# KiCad board AWS PROJECT.kicad_pcb (continued)
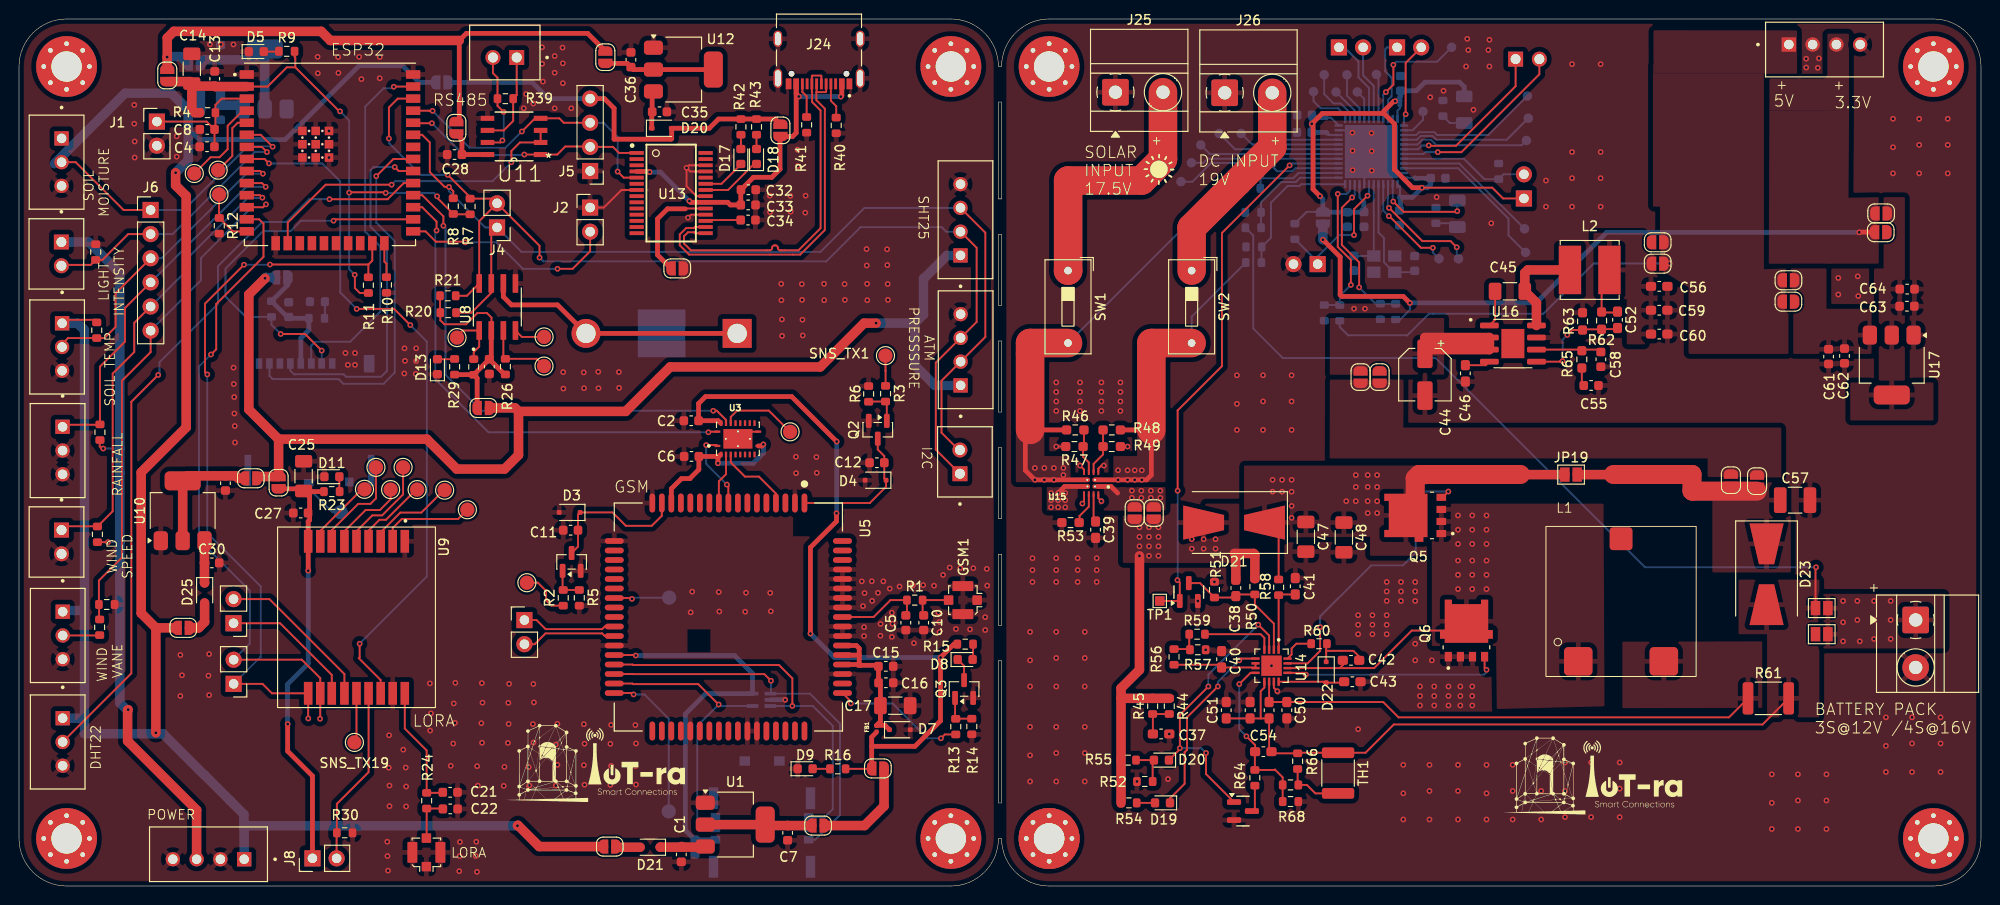
[diagram p0: board, top side]
## Library data of the parts
BT1 = -: MF: MPD; MAXIMUM_PACKAGE_HEIGHT: 2.9mm; Package: None; Price: None; Check_prices: https://www.snapeda.com/parts/BHX1-1225-PC/MPD/view-part/?ref=eda; STANDARD: Manufacturer Recommendations; PARTREV: H; SnapEDA_Link: https://www.snapeda.com/parts/BHX1-1225-PC/MPD/view-part/?ref=snap; Description_1: Battery Retainer Coin, 12.0mm 1 Cell PC Pin; Availability: In Stock; MANUFACTURER: MPD; LCSC: C6868959
C1 C3 C30 C35 C61 C62 = -: Description: Unpolarized capacitor, small symbol; LCSC: C19702; ki_fp_filters: C_*
C2 C4 C6 C11-C13 C15 C18 C26-C28 C33 C34 = -: Description: Unpolarized capacitor, small symbol; LCSC: C14663; ki_fp_filters: C_*
C5 C10 C21 C22 = -: Description: Unpolarized capacitor, small symbol; ki_fp_filters: C_*
C7-C9 C16 C29 C31 C36 C63 C64 = -: Description: Unpolarized capacitor, small symbol; LCSC: C15849; ki_fp_filters: C_*
C14 = -: Description: Unpolarized capacitor; LCSC: C12891; ki_fp_filters: C_*
C17 = -: Description: Unpolarized capacitor; LCSC: C15008; ki_fp_filters: C_*
C25 = -: Description: Unpolarized capacitor; LCSC: C89632; ki_fp_filters: C_*
C32 = -: Description: Unpolarized capacitor, small symbol; LCSC: C1705; ki_fp_filters: C_*
C37 C49 = -: Datasheet: CC0603KRX7R9BB103; Description: Unpolarized capacitor; DigiKey_Part_Number: CC0603KRX7R9BB103; LCSC: C23630; ki_fp_filters: C_*
C38 C54 = -: Datasheet: CC0603KRX7R9BB103; Description: Unpolarized capacitor; DigiKey_Part_Number: CC0603KRX7R9BB103; LCSC: C92670; ki_fp_filters: C_*
C39 C46 = -: Datasheet: CC0603KRX7R9BB103; Description: Unpolarized capacitor; DigiKey_Part_Number: CC0603KRX7R9BB103; LCSC: C100042; ki_fp_filters: C_*
C40 C41 C43 C53 = -: Datasheet: CC0603KRX7R9BB103; Description: Unpolarized capacitor; DigiKey_Part_Number: CC0603KRX7R9BB103; LCSC: C15849; ki_fp_filters: C_*
C42 C50 = -: Datasheet: CC0603KRX7R9BB103; Description: Unpolarized capacitor; DigiKey_Part_Number: CC0603KRX7R9BB103; LCSC: C14663; ki_fp_filters: C_*
C44 = -: Description: Polarized capacitor, small US symbol; LCSC: C30110; ki_fp_filters: CP_*
C45 = -: Datasheet: CC1206KRX7R9BB104; Description: Unpolarized capacitor; LCSC: C24497; ki_fp_filters: C_*
C47 C48 C57 = -: Datasheet: CC0603KRX7R9BB103; Description: Unpolarized capacitor; DigiKey_Part_Number: CC0603KRX7R9BB103; LCSC: C89632; ki_fp_filters: C_*
C51 = -: Datasheet: CC0603KRX7R9BB103; Description: Unpolarized capacitor; DigiKey_Part_Number: CC0603KRX7R9BB103; LCSC: C19702; ki_fp_filters: C_*
C52 = -: Description: Unpolarized capacitor; ki_fp_filters: C_*
C55 = -: Datasheet: 0603B272K500NT; Description: Unpolarized capacitor; DigiKey_Part_Number: 0603B272K500NT; LCSC: C107085; ki_fp_filters: C_*
C56 C59 C60 = -: Datasheet: CL10A226MO7JZNC; Description: Unpolarized capacitor; DigiKey_Part_Number: CL10A226MO7JZNC; LCSC: C86295; ki_fp_filters: C_*
C58 = -: Datasheet: CC0603JRNPO9BN330; Description: Unpolarized capacitor; DigiKey_Part_Number: CC0603JRNPO9BN330; LCSC: C107047; ki_fp_filters: C_*
C65 = -: Description: Unpolarized capacitor, small symbol; LCSC: C66501; ki_fp_filters: C_*
C66 C69 C70 = -: Description: Unpolarized capacitor, small symbol; LCSC: C1589; ki_fp_filters: C_*
C67 = -: Description: Unpolarized capacitor, small symbol; LCSC: C1592; ki_fp_filters: C_*
C68 C71 = -: Description: Unpolarized capacitor, small symbol; LCSC: C19666; ki_fp_filters: C_*
C72 C73 = -: Description: Unpolarized capacitor, small symbol; LCSC: C92670; ki_fp_filters: C_*
D3 D4 D7 D22 = -: Datasheet: https://www.lcsc.com/datasheet/lcsc_datasheet_2409191648_hongjiacheng-SMAJ10A_C41376407.pdf; Description: 17V 400W 12.3V Unidirectional 10V SMA ESD and Surge Protection (TVS/ESD) ROHS; LCSC: C41376407; Stock: 10749; Price: 0.036USD; Process: SMT; Minimum Qty: 5; Attrition Qty: 2; Class: Preferred Component; Category: Circuit Protection,ESD And Surge Protection (TVS/ESD); Manufacturer: hongjiacheng; Part: SMAJ10A; Operating Temperature: -55°C~+155°C; Type: TVS; Peak Pulse Power Dissipation (Ppp): 400W; Number of Lines: Single channel; Breakdown Voltage: 12.3V; Maximum Clamping Voltage: 17V; Reverse Stand-Off Voltage (Vrwm): 10V; Reverse Leakage Current (Ir): 5uA; polarity: Unidirectional; ki_fp_filters: D_*
D5 D8 D9 D11 D13 D14 D17-D19 D20#2 = -: Description: Light emitting diode; LCSC: C22371297; ki_fp_filters: LED* LED_SMD:* LED_THT:*
D6 = -: MF: STMicroelectronics; MAXIMUM_PACKAGE_HEIGHT: 1.10mm; Package: SOT-323 STMicroelectronics; Price: None; Check_prices: https://www.snapeda.com/parts/ESDA6V1W5/STMicroelectronics/view-part/?ref=eda; STANDARD: IPC-7351B; PARTREV: 2; SnapEDA_Link: https://www.snapeda.com/parts/ESDA6V1W5/STMicroelectronics/view-part/?ref=snap; Description_1: - Clamp - Ipp Tvs Diode Surface Mount SOT-323-5; Availability: In Stock; MANUFACTURER: STMicroelectronics; LCSC: C48677
D20 D21 D24 D25 = -: Datasheet: https://datasheet.lcsc.com/lcsc/2204281430_Guangdong-Hottech-1N5819WS_C191023.pdf; Description: 40V 600mV@1A 1A SOD-323 Schottky Barrier Diodes, SOD-323; ki_fp_filters: D*SOD?323*
D21#2 D23 = -: Description: Diode; Sim.Device: D; Sim.Pins: 1=K 2=A; LCSC: C72264; ki_fp_filters: TO-???* *_Diode_* *SingleDiode* D_*
D24#2 = -: Description: Light emitting diode; Sim.Pins: 1=K 2=A; LCSC: C2980185; ki_fp_filters: LED* LED_SMD:* LED_THT:*
D25#2 = -: Description: Light emitting diode; Sim.Pins: 1=K 2=A; LCSC: C28310439; ki_fp_filters: LED* LED_SMD:* LED_THT:*
FB1 = -: Description: Ferrite bead, small symbol; LCSC: C3764553; ki_fp_filters: Inductor_* L_* *Ferrite*
GSM1 GSM2 = -: PRICE: None; MP: U.FL-R-SMT_10_; PACKAGE: FakePackage u; AVAILABILITY: Unavailable; DESCRIPTION: U.FL Series 50 Ohm Receptacle Male Pins Ultra Small SMT Coaxial Connector; MF: Hirose; LCSC Part #: C88373; LCSC: C434808
J1-J4 J8-J10 J29-J32 = -: Description: Generic connector, single row, 01x02, script generated; ki_fp_filters: Connector*:*_1x??_*
J5 = -: Description: Generic connector, single row, 01x04, script generated; ki_fp_filters: Connector*:*_1x??_*
J6 = -: Description: Generic connector, single row, 01x06, script generated; ki_fp_filters: Connector*:*_1x??_*
J7 = -: MF: Molex; Description_1: 6 Position Card Connector NANO SIM Surface Mount, Right Angle Gold; Package: None; Price: None; Check_prices: https://www.snapeda.com/parts/104224-0820/Molex/view-part/?ref=eda; STANDARD: Mnufacturer Recommendation; PARTREV: A; SnapEDA_Link: https://www.snapeda.com/parts/104224-0820/Molex/view-part/?ref=snap; Availability: In Stock; MANUFACTURER: MOLEX; LCSC: C585349
J11 J15 J17 J28 = -: MF: JST Sales; MAXIMUM_PACKAGE_HEIGHT: 7.00 mm; Package: None; Price: None; Check_prices: https://www.snapeda.com/parts/B4B-XH-A(LF)(SN)/JST/view-part/?ref=eda; STANDARD: Manufacturer Recommendations; PARTREV: 7/4/21; SnapEDA_Link: https://www.snapeda.com/parts/B4B-XH-A(LF)(SN)/JST/view-part/?ref=snap; MP: B4B-XH-A(LF)(SN); Description_1: Connector Header Through Hole 4 position 0.098 (2.50mm); Availability: In Stock; MANUFACTURER: JST
J12 J18-J20 J22 = -: MF: JST Sales; MAXIMUM_PACKAGE_HEIGHT: 7.00 mm; Package: None; Price: None; Check_prices: https://www.snapeda.com/parts/B3B-XH-A(LF)(SN)/JST/view-part/?ref=eda; STANDARD: Manufacturer Recommendations; PARTREV: 7/4/21; SnapEDA_Link: https://www.snapeda.com/parts/B3B-XH-A(LF)(SN)/JST/view-part/?ref=snap; MP: B3B-XH-A(LF)(SN); Description_1: Connector Header Through Hole 3 position 0.098 (2.50mm); Availability: In Stock; MANUFACTURER: JST Sales America Inc.
J13 J14 J21 J23 J33 = -: MF: JST Sales; MAXIMUM_PACKAGE_HEIGHT: 7 mm; Package: None; Price: None; Check_prices: https://www.snapeda.com/parts/B2B-XH-A(LF)(SN)/JST/view-part/?ref=eda; STANDARD: Manufacturer Recommendations; PARTREV: N/A; SnapEDA_Link: https://www.snapeda.com/parts/B2B-XH-A(LF)(SN)/JST/view-part/?ref=snap; MP: B2B-XH-A(LF)(SN); Description_1: Connector Header Through Hole 2 position 0.098 (2.50mm); Availability: In Stock; MANUFACTURER: JST Sales America Inc.
J16 = -: MF: Molex; Description_1: 9 (8 + 1) Position Card Connector Secure Digital - microSD™ Surface Mount, Right Angle Gold; Package: None; Price: None; Check_prices: https://www.snapeda.com/parts/5033981892/Molex/view-part/?ref=eda; STANDARD: MANUFACTURER RECOMMENDATIONS; PARTREV: 0; SnapEDA_Link: https://www.snapeda.com/parts/5033981892/Molex/view-part/?ref=snap; MP: 5033981892; Availability: In Stock; MANUFACTURER: molex; LCSC: C428492
J24 = -: MF: HRO Electronics Co., Ltd.; MAXIMUM_PACKAGE_HEIGHT: 3.26 mm; Package: Package; Price: None; Check_prices: https://www.snapeda.com/parts/TYPE-C-31-M-12/HRO+Electronics+Co.%252C+Ltd./view-part/?ref=eda; STANDARD: Manufacturer Recommendations; PARTREV: 2020.12.08; SnapEDA_Link: https://www.snapeda.com/parts/TYPE-C-31-M-12/HRO+Electronics+Co.%252C+Ltd./view-part/?ref=snap; Description_1: USB Connectors 24 Receptacle 1 8.94*7.3mm RoHS; Availability: Not in stock; MANUFACTURER: HRO Electronics Co., Ltd.; LCSC: C165948
J25-J27 = -: Description: Generic screw terminal, single row, 01x02, script generated (kicad-library-utils/schlib/autogen/connector/); ki_fp_filters: TerminalBlock*:*
JP1-JP6 JP8 JP10 JP11#2 JP12#2 JP13-JP18 JP19#3 JP20 JP21#2 JP22-JP25 = -: Description: Jumper, 2-pole, small symbol, open; ki_fp_filters: Jumper* TestPoint*2Pads* TestPoint*Bridge*
JP9 JP10#2 JP11 JP12 JP13#2 JP18#2 JP19 JP19#2 JP21 = -: Description: Jumper, 2-pole, small symbol, open
L1 = -: Description: Inductor; LCSC: C2454102; ki_fp_filters: Choke_* *Coil* Inductor_* L_*
L2 = -: Description: Inductor; LCSC: C3221229; ki_fp_filters: Choke_* *Coil* Inductor_* L_*
PB1-PB21 SNS_TX1-SNS_TX20 TP1 = -: Description: test point; ki_fp_filters: Pin* Test*
Q1-Q3 = -: Datasheet: https://www.onsemi.com/pdf/datasheet/pzt3904-d.pdf; Description: 0.2A Ic, 40V Vce, Small Signal NPN Transistor, SOT-23; LCSC: C242260; ki_fp_filters: SOT?23*
Q4 Q7 = -: Datasheet: https://www.lcsc.com/datasheet/lcsc_datasheet_2304140030_Jiangsu-Changjing-Electronics-Technology-Co---Ltd--2N7002_C8545.pdf; Description: 60V 115mA 200mW 7.5Ω@10V,500mA 2.5V@250uA 1 N-Channel SOT-23 MOSFETs ROHS; LCSC: C8545; Stock: 917456; Price: 0.018USD; Process: SMT; Minimum Qty: 10; Attrition Qty: 5; Class: Basic Component; Category: Transistors,MOSFETs; Manufacturer: Changjiang Electronics Tech (CJ); Continuous Drain Current (Id): 115mA; Input Capacitance (Ciss@Vds): 50pF; Operating Temperature: -55°C~+150°C; Type: 1 N-channel; Drain Source Voltage (Vdss): 60V; Power Dissipation (Pd): 225mW; Gate Threshold Voltage (Vgs(th)@Id): 2.5V@250uA; Reverse Transfer Capacitance (Crss@Vds): 5pF; Drain Source On Resistance (RDS(on)@Vgs,Id): 5Ω@10V; ki_fp_filters: Q_*
Q5 Q6 = -: Datasheet: https://ngspice.sourceforge.io/docs/ngspice-html-manual/manual.xhtml#cha_MOSFETs; Description: N-MOSFET transistor, drain/source/gate; Sim.Type: VDMOS; Sim.Pins: 1=D 2=G 3=S; LCSC: C604579
R1 R24 = -: Description: Resistor; LCSC: C95177; ki_fp_filters: R_*
R2 R3 R5-R8 R13 R14 R20 R21 R25 R26 R32 R33 R38 = -: Description: Resistor; LCSC: C99782; ki_fp_filters: R_*
R4 R10 R12 R30 R34 R37 R54 R55 R69 R71 R73 R75 R77 R79 R80 R82 = -: Description: Resistor; LCSC: C98220; ki_fp_filters: R_*
R9 R15 R16 R23 R29 R31 R35 = -: Description: Resistor; LCSC: C22548; ki_fp_filters: R_*
R11 = -: Description: Resistor; ki_fp_filters: R_*
R36 R70 = -: Description: Resistor; LCSC: C105575; ki_fp_filters: R_*
R39 = -: Description: Resistor; LCSC: C22787; ki_fp_filters: R_*
R40 R41 = -: Description: Resistor; LCSC: C2907044; ki_fp_filters: R_*
R42 R43 = -: Description: Resistor; LCSC: C2907020; ki_fp_filters: R_*
R44 R45 = -: Description: Resistor; LCSC: C2930150; ki_fp_filters: R_*
R46 R48 = -: Datasheet: FRC0603F5101TS; Description: Resistor; LCSC: C22912; ki_fp_filters: R_*
R47 R49 = -: Datasheet: FRC0603F5101TS; Description: Resistor; LCSC: C2828621; ki_fp_filters: R_*
R50 = -: Description: Resistor; LCSC: C26751; ki_fp_filters: R_*
R51 = -: Description: Resistor; LCSC: C2930097; ki_fp_filters: R_*
R52 = -: Description: Resistor; LCSC: C2828637; ki_fp_filters: R_*
R53 = -: Datasheet: FRC0603F5101TS; Description: Resistor; LCSC: C2933234; ki_fp_filters: R_*
R56 = -: Description: Resistor; LCSC: C2930111; ki_fp_filters: R_*
R57 = -: Description: Resistor; LCSC: C2930127; ki_fp_filters: R_*
R58 = -: Description: Resistor; LCSC: C109318; ki_fp_filters: R_*
R59 = -: Description: Resistor; LCSC: C105588; ki_fp_filters: R_*
R60 = -: Description: Resistor; LCSC: C22939; ki_fp_filters: R_*
R61 = -: Description: Resistor; LCSC: C2933875; ki_fp_filters: R_*
R62 R63 R65 = -: Datasheet: FRC0603F5101TS; Description: Resistor; LCSC: C2907044; ki_fp_filters: R_*
R64 = -: Description: Resistor; LCSC: C3009313; ki_fp_filters: R_*
R66 = -: Description: Resistor; LCSC: C861677; ki_fp_filters: R_*
R67 = -: Description: Resistor; LCSC: C5126163; ki_fp_filters: R_*
R68 = -: Description: Resistor; LCSC: C2998114; ki_fp_filters: R_*
R72 = -: Description: Resistor; LCSC: C2906992; ki_fp_filters: R_*
R74 = -: Description: Resistor; LCSC: C22843; ki_fp_filters: R_*
R76 = -: Description: Resistor; LCSC: C22975; ki_fp_filters: R_*
R78 = -: Description: Resistor; LCSC: C2906976; ki_fp_filters: R_*
R81 = -: Description: Resistor; LCSC: C23138; ki_fp_filters: R_*
SW1 SW2 = -: Description: Single Pole Single Throw (SPST) switch
TH1 = -: Description: Temperature dependent resistor, negative temperature coefficient; LCSC: C5146262; ki_fp_filters: *NTC* *Thermistor* PIN?ARRAY* bornier* *Terminal?Block* R_*
U1 U2 U10 U12 U17 = -: Datasheet: http://www.advanced-monolithic.com/pdf/ds1117.pdf; Description: 1A Low Dropout regulator, positive, 3.3V fixed output, SOT-223; LCSC: C6186; ki_fp_filters: SOT?223*TabPin2*
U3 = -: MF: Texas Instruments; MAXIMUM_PACKAGE_HEIGHT: 1 mm; Package: VQFN-20 Texas Instruments; Price: None; Check_prices: https://www.snapeda.com/parts/TXB0108RGYR/Texas+Instruments/view-part/?ref=eda; STANDARD: Manufacturer recommendations; PARTREV: H; SnapEDA_Link: https://www.snapeda.com/parts/TXB0108RGYR/Texas+Instruments/view-part/?ref=snap; Description_1: 8-Bit Bidirectional Voltage-Level Shifter with Auto Direction Sensing and +/-15-kV ESD Protect; Availability: In Stock; MANUFACTURER: Texas Instruments; LCSC: C194701
U4 = -: MF: Espressif Systems; MAXIMUM_PACKAGE_HEIGHT: 3.25mm; Package: SMD-44 Espressif Systems; Price: None; Check_prices: https://www.snapeda.com/parts/ESP32-WROOM-32E%20(4MB%20HIGH%20TEMP)/Espressif+Systems/view-part/?ref=eda; STANDARD: Manufacturer Recommendations; PARTREV: 1.3; SnapEDA_Link: https://www.snapeda.com/parts/ESP32-WROOM-32E%20(4MB%20HIGH%20TEMP)/Espressif+Systems/view-part/?ref=snap; MP: ESP32-WROOM-32E (4MB HIGH TEMP); Description_1: Bluetooth, WiFi 802.11b/g/n, Bluetooth v4.2 +EDR, Class 1, 2 and 3 Transceiver Module 2.4GHz ~ 2.5GHz Integrated, Trace Surface Mount; Availability: Not in stock; MANUFACTURER: Espressif Systems; LCSC: C701344
U5 = -: MF: SIMCom; Description_1: Cellular Cat-M, Cat-NB, EDGE, GPRS, LPWA Transceiver Module 900MHz, 1.8GHz Antenna Not Included Surface Mount; Package: None; Price: None; Check_prices: https://www.snapeda.com/parts/SIM7000E/SIMCom/view-part/?ref=eda; STANDARD: MANUFACTURER RECOMMENDATIONS; PARTREV: 1.01; SnapEDA_Link: https://www.snapeda.com/parts/SIM7000E/SIMCom/view-part/?ref=snap; Availability: In Stock; MANUFACTURER: SIMCOM; LCSC: C126272
U8 = -: MF: Analog Devices; Description_1: ±5ppm, I2C Real-Time Clock; Package: SOIC-8 Maxim; Price: None; SnapEDA_Link: https://www.snapeda.com/parts/DS3231MZ+TRL/Analog+Devices/view-part/?ref=snap; MP: DS3231MZ+TRL; Availability: In Stock; Check_prices: https://www.snapeda.com/parts/DS3231MZ+TRL/Analog+Devices/view-part/?ref=eda; LCSC: C107410
U9 = -: Datasheet: https://docs.ai-thinker.com/_media/lora/docs/ra-08h_v1.1.0_specification.pdf; LCSC: C2991932
U11 = -: MF: STMicroelectronics; Description_1: 1/1 Transceiver Half RS422, RS485 8-SOIC; PACKAGE: SOIC-8; Price: None; Package: SOIC-8 STMicroelectronics; OC_FARNELL: -; SnapEDA_Link: https://www.snapeda.com/parts/ST3485EBDR/STMicroelectronics/view-part/?ref=snap; SUPPLIER: STMICROELECTRONICS; OC_NEWARK: 89K1003; Availability: In Stock; Check_prices: https://www.snapeda.com/parts/ST3485EBDR/STMicroelectronics/view-part/?ref=eda; LCSC: C75809
U13 = -: MF: FTDI,; Description_1: USB Controller, 3MBd, USB2.0, 1.8 - 5.25 V, 28-Pin SSOP, USBmadeEZ-UART Series | FTDI FT232RL-REEL; Package: SSOP-28 FTDI; Price: None; Check_prices: https://www.snapeda.com/parts/FT232RL-REEL/FTDI/view-part/?ref=eda; SnapEDA_Link: https://www.snapeda.com/parts/FT232RL-REEL/FTDI/view-part/?ref=snap; Availability: In Stock; MANUFACTURER: Future Technology Devices International Ltd; LCSC: C8690
U14 = -: MF: Texas Instruments; Description_1: Standalone 1-6 cell Buck battery charge controller with solar input and integrated MPPT; Package: VQFN-16 Texas Instruments; Price: None; SnapEDA_Link: https://www.snapeda.com/parts/BQ24650RVAR/Texas+Instruments/view-part/?ref=snap; Availability: In Stock; Check_prices: https://www.snapeda.com/parts/BQ24650RVAR/Texas+Instruments/view-part/?ref=eda; LCSC: C53712
U15 = -: DigiKey_Part_Number: 296-53410-1-ND; SnapEDA_Link: https://www.snapeda.com/parts/TPS2121RUXR/Texas+Instruments/view-part/?ref=snap; Description_1: 2.7-V to 22-V, 56-mΩ, 4.5-A, power mux with seamless switchover; Package: VQFN-HR-12 Texas Instruments; Check_prices: https://www.snapeda.com/parts/TPS2121RUXR/Texas+Instruments/view-part/?ref=eda; STANDARD: Manufacturer Recommendations; MF: Texas Instruments; MANUFACTURER: TEXAS INSTRUMENTS; LCSC: C485916
U16 = -: LCSC: C2071517; ki_fp_filters: SO-8EP_DIO SO-8EP_DIO-M SO-8EP_DIO-L
U18 = -: MF: STMicroelectronics; MAXIMUM_PACKAGE_HEIGHT: 0.6mm; Package: UFQFPN-48 STMicroelectronics; Price: None; Check_prices: https://www.snapeda.com/parts/STM32F401CCU6/STMicroelectronics/view-part/?ref=eda; STANDARD: IPC-7351B; PARTREV: 11; SnapEDA_Link: https://www.snapeda.com/parts/STM32F401CCU6/STMicroelectronics/view-part/?ref=snap; Purchase-URL: https://www.snapeda.com/api/url_track_click_mouser/?unipart_id=47563&manufacturer=STMicroelectronics&part_name=STM32F401CCU6&search_term=stm32f401ccu6; Description_1: ARM® Cortex®-M4 STM32F4 Microcontroller IC 32-Bit Single-Core 84MHz 256KB (256K x 8) FLASH 48-UFQFPN (7x7); Availability: In Stock; MANUFACTURER: STMicroelectronics; LCSC: C79861
Y1 = -: MF: Aker Technology USA; MAXIMUM_PACKAGE_HEIGHT: 0.75mm; Package: SMD-4 Aker; Price: None; Check_prices: https://www.snapeda.com/parts/C3E-25.000-12-3030-X-R/Aker/view-part/?ref=eda; STANDARD: Manufacturer Recommendations; PARTREV: August 01, 2022; SnapEDA_Link: https://www.snapeda.com/parts/C3E-25.000-12-3030-X-R/Aker/view-part/?ref=snap; Description_1: Crystal, 3.20mm x2.50mm,25MHz,12pF,-40-85C; Availability: In Stock; MANUFACTURER: Aker; LCSC: C5567192

## Footprints (pads in the part's own frame, mm; a bottom-side part is the same pattern mirrored in y, then rotated)
BAT_BHX1-1225-PC
  rect 3.05x3.05 hole 2.03: 1(-7.95,0)
  round 3.05 hole 2.03: 1_1(7.95,0)
  rect 5x5 smd: 2(0,0)
BEADC0603X33N
  rect 0.38x0.4 smd: 1(-0.281,0) 2(0.281,0)
C_0603_1608Metric
  rrect 0.9x0.95 smd: 1(-0.775,0) 2(0.775,0)
C_0603_1608Metric_Pad1.08x0.95mm_HandSolder
  rrect 1.075x0.95 smd: 1(-0.863,0) 2(0.863,0)
C_1206_3216Metric_Pad1.33x1.80mm_HandSolder
  rrect 1.325x1.8 smd: 1(-1.562,0) 2(1.562,0)
C_1210_3225Metric_Pad1.33x2.70mm_HandSolder
  rrect 1.325x2.7 smd: 1(-1.562,0) 2(1.562,0)
CDEP147NP-6R1MC-95
  rrect 3x3 smd: 1(-4.5,0) 2(4.5,0)
  rrect 2.4x2.4 smd: 3(0,12.9)
CP_Elec_5x5.8
  rrect 3x1.6 smd: 1(-2.2,0) 2(2.2,0)
D_0603_1608Metric
  rrect 0.875x0.95 smd: 1(-0.787,0) 2(0.787,0)
D_SMB-SMC_Universal_Handsoldering
  trapezoid 4.3x2.6 smd: 1(-3.2,0) 2(3.2,0)
D_SOD-323
  rrect 0.6x0.45 smd: 1(-1.05,0) 2(1.05,0)
D_SOD-323F
  rrect 0.5x0.5 smd: 1(-1.1,0) 2(1.1,0)
HRO_TYPE-C-31-M-12
  round 0.6 hole 0.6 unplated: (-2.89,3.68) (2.89,3.68)
  rect 0.6x1.14 smd: A1_B12(-3.2,4.75) A4_B9(-2.4,4.75) B1_A12(3.2,4.75) B4_A9(2.4,4.75)
  rect 0.3x1.14 smd: A5(-1.25,4.75) A6(-0.25,4.75) A7(0.25,4.75) A8(1.25,4.75) B5(1.75,4.75) B6(0.75,4.75) B7(-0.75,4.75) B8(-1.75,4.75)
  oval 0.9x2 hole 0.6x1.7: S1(-4.325,4.17) S2(4.325,4.17)
  oval 0.9x1.7 hole 0.6x1.4: S3(-4.325,0) S4(4.325,0)
IC_TPS2121RUXR
  rrect 1.05x0.4 smd: 1(-0.675,0.35) 2(-0.675,-0.35) 7(0.675,-0.35) 8(0.675,0.35)
  round 0.3 hole 0.2: 1_1(-0.4,0.35) 2_1(-0.4,-0.35) 7_1(0.4,-0.35) 8_1(0.4,0.35)
  rrect 0.2x0.6 smd: 3(-0.75,-1.15) 4(-0.25,-1.15) 5(0.25,-1.15) 6(0.75,-1.15) 9(0.75,1.15) 10(0.25,1.15) 11(-0.25,1.15) 12(-0.75,1.15)
IC_TXB0108RGYR
  rrect 0.24x0.6 smd: 1(-0.75,2.15) 10(-0.75,-2.15) 11(0.75,-2.15) 20(0.75,2.15)
  rrect 0.6x0.24 smd: 2(-1.65,1.75) 3(-1.65,1.25) 4(-1.65,0.75) 5(-1.65,0.25) 6(-1.65,-0.25) 7(-1.65,-0.75) 8(-1.65,-1.25) 9(-1.65,-1.75) 12(1.65,-1.75) 13(1.65,-1.25) 14(1.65,-0.75) 15(1.65,-0.25) 16(1.65,0.25) 17(1.65,0.75) 18(1.65,1.25) 19(1.65,1.75)
  rect 2.05x3.05 smd: 21(0,0)
  round 0.3 hole 0.2: 21_1(0,1.275) 21_2(-0.775,0) 21_3(0.775,0) 21_4(0,-1.275)
JST_B2B-XH-A_LF__SN_
  rect 1.575x1.575 hole 1.05: 1(1.25,-0.525)
  round 1.575 hole 1.05: 2(-1.25,-0.525)
JST_B3B-XH-A_LF__SN_
  rect 1.508x1.508 hole 1: 1(2.5,-0.525)
  round 1.508 hole 1: 2(0,-0.525) 3(-2.5,-0.525)
JST_B4B-XH-A_LF__SN_
  rect 1.508x1.508 hole 1: 1(3.75,-0.525)
  round 1.508 hole 1: 2(1.25,-0.525) 3(-1.25,-0.525) 4(-3.75,-0.525)
L_Bourns_SRN6045TA
  rect 2.35x5.1 smd: 1(-2.075,0) 2(2.075,0)
LED_1206_3216Metric
  rrect 1.25x1.75 smd: 1(-1.4,0) 2(1.4,0)
MODULE_ESP32-WROOM-32UE_M113EH6400UH3Q0_
  rect 1.5x0.9 smd: 1(-8.75,8.41) 2(-8.75,7.14) 3(-8.75,5.87) 4(-8.75,4.6) 5(-8.75,3.33) 6(-8.75,2.06) 7(-8.75,0.79) 8(-8.75,-0.48) 9(-8.75,-1.75) 10(-8.75,-3.02) 11(-8.75,-4.29) 12(-8.75,-5.56) 13(-8.75,-6.83) 14(-8.75,-8.1) 25(8.75,-8.1) 26(8.75,-6.83) 27(8.75,-5.56) 28(8.75,-4.29) 29(8.75,-3.02) 30(8.75,-1.75) 31(8.75,-0.48) 32(8.75,0.79) 33(8.75,2.06) 34(8.75,3.33) 35(8.75,4.6) 36(8.75,5.87) 37(8.75,7.14) 38(8.75,8.41)
  rect 0.9x1.5 smd: 15(-5.71,-9.35) 16(-4.44,-9.35) 17(-3.17,-9.35) 18(-1.9,-9.35) 19(-0.63,-9.35) 20(0.64,-9.35) 21(1.91,-9.35) 22(3.18,-9.35) 23(4.45,-9.35) 24(5.72,-9.35)
  rect 0.9x0.9 smd: 39_1(-2.9,2.47) 39_2(-1.5,2.47) 39_3(-0.1,2.47) 39_4(-2.9,1.07) 39_5(-1.5,1.07) 39_6(-0.1,1.07) 39_7(-2.9,-0.33) 39_8(-1.5,-0.33) 39_9(-0.1,-0.33)
  round 0.3 hole 0.2: 39_10(-2.2,2.47) 39_11(-0.8,2.47) 39_12(-2.9,1.77) 39_13(-1.5,1.77) 39_14(-0.1,1.77) 39_15(-2.2,1.07) 39_16(-0.8,1.07) 39_17(-2.9,0.37) 39_18(-1.5,0.37) 39_19(-0.1,0.37) 39_20(-2.2,-0.33) 39_21(-0.8,-0.33)
MOLEX_104224-0820
  rect 1x2.3 smd: G1(-5.1,1.5) G2(-5.1,8.7) G3(5.1,8.7) G4(5.1,1.5)
  rect 1.1x1 smd: R1(-1.82,12.625) R2(1.82,12.625)
  rect 1x0.8 smd: S1(4.9,4.35) S2(4.9,5.55) S3(-4.9,4.35) S4(4.9,6.75) S5(-4.9,5.55) S6(-4.9,6.75)
MOLEX_503398-1892
  rect 0.7x1.1 smd: 1(-2.38,5.625) 2(-1.28,5.625) 3(-0.18,5.625) 4(0.92,5.625) 5(2.02,5.625) 6(3.12,5.625) 7(4.22,5.625) 8(5.32,5.625)
  rect 0.9x0.93 smd: 9(-4.17,-6.84)
  rect 1.05x0.78 smd: 10(0.095,-6.915)
  rect 1.14x1.83 smd: P1(-6.26,5.61)
  rect 0.86x2.8 smd: P2(6.4,5.125)
  rect 0.7x3.33 smd: P3(-6.48,-5.64) P4(6.48,-5.64)
MountingHole_3.2mm_M3_Pad_Via
  round 0.8 hole 0.5: 1(-2.4,0) 1(-1.697,1.697) 1(-1.697,-1.697) 1(0,2.4) 1(0,-2.4) 1(1.697,1.697) 1(1.697,-1.697) 1(2.4,0)
  round 6.4 hole 3.2: 1(0,0)
PinHeader_1x02_P2.54mm_Vertical
  rect 1.7x1.7 hole 1: 1(0,0)
  round 1.7 hole 1: 2(0,-2.54)
PinHeader_1x04_P2.54mm_Vertical
  rect 1.7x1.7 hole 1: 1(0,0)
  round 1.7 hole 1: 2(0,-2.54) 3(0,-5.08) 4(0,-7.62)
PinHeader_1x06_P2.54mm_Vertical
  rect 1.7x1.7 hole 1: 1(0,0)
  round 1.7 hole 1: 2(0,-2.54) 3(0,-5.08) 4(0,-7.62) 5(0,-10.16) 6(0,-12.7)
Q_SOT-23
  rrect 1.48x0.6 smd: 1(-0.94,0.95) 2(-0.94,-0.95) 3(0.94,0)
QFN50P350X350X100-17N
  rrect 0.86x0.26 smd: 1(-1.685,0.75) 2(-1.685,0.25) 3(-1.685,-0.25) 4(-1.685,-0.75) 9(1.685,-0.75) 10(1.685,-0.25) 11(1.685,0.25) 12(1.685,0.75)
  rrect 0.26x0.86 smd: 5(-0.75,-1.685) 6(-0.25,-1.685) 7(0.25,-1.685) 8(0.75,-1.685) 13(0.75,1.685) 14(0.25,1.685) 15(-0.25,1.685) 16(-0.75,1.685)
  rect 2.14x2.14 smd: 17(0,0)
QFN50P700X700X60-49N
  rect 0.86x0.27 smd: 1(-3.435,2.75) 2(-3.435,2.25) 3(-3.435,1.75) 4(-3.435,1.25) 5(-3.435,0.75) 6(-3.435,0.25) 7(-3.435,-0.25) 8(-3.435,-0.75) 9(-3.435,-1.25) 10(-3.435,-1.75) 11(-3.435,-2.25) 12(-3.435,-2.75) 25(3.435,-2.75) 26(3.435,-2.25) 27(3.435,-1.75) 28(3.435,-1.25) 29(3.435,-0.75) 30(3.435,-0.25) 31(3.435,0.25) 32(3.435,0.75) 33(3.435,1.25) 34(3.435,1.75) 35(3.435,2.25) 36(3.435,2.75)
  rect 0.27x0.86 smd: 13(-2.75,-3.435) 14(-2.25,-3.435) 15(-1.75,-3.435) 16(-1.25,-3.435) 17(-0.75,-3.435) 18(-0.25,-3.435) 19(0.25,-3.435) 20(0.75,-3.435) 21(1.25,-3.435) 22(1.75,-3.435) 23(2.25,-3.435) 24(2.75,-3.435) 37(2.75,3.435) 38(2.25,3.435) 39(1.75,3.435) 40(1.25,3.435) 41(0.75,3.435) 42(0.25,3.435) 43(-0.25,3.435) 44(-0.75,3.435) 45(-1.25,3.435) 46(-1.75,3.435) 47(-2.25,3.435) 48(-2.75,3.435)
  rect 5.6x5.6 smd: 49(0,0)
R_0603_1608Metric
  rrect 0.8x0.95 smd: 1(-0.825,0) 2(0.825,0)
R_0603_1608Metric_Pad0.98x0.95mm_HandSolder
  rrect 0.975x0.95 smd: 1(-0.912,0) 2(0.912,0)
R_1812_4532Metric
  rrect 1.125x3.4 smd: 1(-2.138,0) 2(2.138,0)
RA-08H
  rect 2.4x0.9 smd: 1(-8,5.08) 2(-8,3.81) 3(-8,2.54) 4(-8,1.27) 5(-8,0) 6(-8,-1.27) 7(-8,-2.6) 8(-8,-3.81) 9(-8,-5.08) 10(8,-5.08) 11(8,-3.81) 12(8,-2.6) 13(8,-1.27) 14(8,0) 15(8,1.27) 16(8,2.54) 17(8,3.81) 18(8,5.08)
SIMCON_SIM7000E
  oval 2x0.6 smd: 1(-12,8) 2(-12,7) 3(-12,6) 4(-12,5) 5(-12,4) 6(-12,3) 7(-12,2) 8(-12,1) 9(-12,0) 10(-12,-1) 11(-12,-2) 12(-12,-3) 13(-12,-4) 14(-12,-5) 15(-12,-6) 16(-12,-7) 17(-12,-8) 35(12,-8) 36(12,-7) 37(12,-6) 38(12,-5) 39(12,-4) 40(12,-3) 41(12,-2) 42(12,-1) 43(12,0) 44(12,1) 45(12,2) 46(12,3) 47(12,4) 48(12,5) 49(12,6) 50(12,7) 51(12,8)
  oval 0.6x2 smd: 18(-8,-12) 19(-7,-12) 20(-6,-12) 21(-5,-12) 22(-4,-12) 23(-3,-12) 24(-2,-12) 25(-1,-12) 26(0,-12) 27(1,-12) 28(2,-12) 29(3,-12) 30(4,-12) 31(5,-12) 32(6,-12) 33(7,-12) 34(8,-12) 52(8,12) 53(7,12) 54(6,12) 55(5,12) 56(4,12) 57(3,12) 58(2,12) 59(1,12) 60(0,12) 61(-1,12) 62(-2,12) 63(-3,12) 64(-4,12) 65(-5,12) 66(-6,12) 67(-7,12) 68(-8,12)
SOIC127P600X170-9N
  rrect 1.97x0.6 smd: 1(-2.475,1.905) 2(-2.475,0.635) 3(-2.475,-0.635) 4(-2.475,-1.905) 5(2.475,-1.905) 6(2.475,-0.635) 7(2.475,0.635) 8(2.475,1.905)
  rect 2.41x3.076 smd: 9(0,0)
SOIC127P600X175-8N
  rect 1.422x0.533 smd: 1(-2.794,1.905) 2(-2.794,0.635) 3(-2.794,-0.635) 4(-2.794,-1.905) 5(2.794,-1.905) 6(2.794,-0.635) 7(2.794,0.635) 8(2.794,1.905)
SOIC127P600X175-8N#2
  rrect 1.97x0.59 smd: 1(-2.475,1.905) 2(-2.475,0.635) 3(-2.475,-0.635) 4(-2.475,-1.905) 5(2.475,-1.905) 6(2.475,-0.635) 7(2.475,0.635) 8(2.475,1.905)
SolderJumper-2_P1.3mm_Open_Pad1.0x1.5mm
  rect 1x1.5 smd: 1(-0.65,0) 2(0.65,0)
SolderJumper-2_P1.3mm_Open_RoundedPad1.0x1.5mm
  custom 1x1.5 smd: 1(-0.65,0) 2(0.65,0)
SolderJumper-2_P1.3mm_Open_RoundedPad1.0x1.5mm#2
  custom 1x1.5 smd: (-0.65,0) 2(0.65,0)
SOP65P780X200-28N
  rect 1.5x0.4 smd: 1(-3.625,4.225) 2(-3.625,3.575) 3(-3.625,2.925) 4(-3.625,2.275) 5(-3.625,1.625) 6(-3.625,0.975) 7(-3.625,0.325) 8(-3.625,-0.325) 9(-3.625,-0.975) 10(-3.625,-1.625) 11(-3.625,-2.275) 12(-3.625,-2.925) 13(-3.625,-3.575) 14(-3.625,-4.225) 15(3.625,-4.225) 16(3.625,-3.575) 17(3.625,-2.925) 18(3.625,-2.275) 19(3.625,-1.625) 20(3.625,-0.975) 21(3.625,-0.325) 22(3.625,0.325) 23(3.625,0.975) 24(3.625,1.625) 25(3.625,2.275) 26(3.625,2.925) 27(3.625,3.575) 28(3.625,4.225)
SOT65P210X110-5N
  rect 1.23x0.4 smd: 1(-0.94,0.65) 2(-0.94,0) 3(-0.94,-0.65) 4(0.94,-0.65) 5(0.94,0.65)
SOT-23
  rrect 1.475x0.6 smd: 1(-0.938,0.95) 2(-0.938,-0.95) 3(0.938,0)
SOT-223-3_TabPin2
  rrect 2x1.5 smd: 1(-3.15,2.3) 2(-3.15,0) 3(-3.15,-2.3)
  rrect 2x3.8 smd: 2(3.15,0)
SW_DIP_SPSTx01_Slide_9.78x4.72mm_W7.62mm_P2.54mm
  rrect 1.6x1.6 hole 0.8: 1(0,0)
  round 1.6 hole 0.8: 2(7.62,0)
TerminalBlock_MetzConnect_Type011_RT05502HBWC_1x02_P5.00mm_Horizontal
  rrect 2.8x2.8 hole 1.4: 1(0,0)
  round 2.8 hole 1.4: 2(5,0)
TestPoint_Pad_1.0x1.0mm
  rect 1x1 smd: 1(0,0)
TestPoint_Pad_D1.0mm
  round 1 smd: 1(0,0)
TestPoint_Pad_D1.5mm
  round 1.5 smd: 1(0,0)
TRANS_NVMFS5834NLWFT1G
  rect 1x0.75 smd: 1(-2.748,1.905) 2(-2.748,0.635) 3(-2.748,-0.635) 4(-2.748,-1.905)
  custom 4.54x5.56 smd: 5_6(0,0)
U.FL_Molex_MCRF_73412-0110_Vertical
  rrect 1x1 smd: 1(0,-1.5) 2(0,1.5)
  rrect 1.05x2.2 smd: 2(-1.475,0) 2(1.475,0)
unnamed
  round 6.4 hole 3.2: 1(0,0)
XTAL_C3E-25.000-12-3030-X-R
  rect 1.4x1.2 smd: 1(-1.1,-0.85) 2(1.1,-0.85) 3(1.1,0.85) 4(-1.1,0.85)

## Nets
3v3: J14.1 J15.3 R32.2 R33.2
5v: D20.2 J5.4 J15.1 J18.1 J19.1 J20.1 J22.1 JP1.2 JP2.2 JP10#2.1 JP10#2.2 JP13.2 JP15.2 R38.2 R42.2 R43.2
+3.3V: J28.3 JP21.2 JP24.2 JP25.2 R69.1
+3.3V_ESP: JP4.2 JP5.2 JP11#2.2 JP16.2
+3.3V_GSM: JP3.2 JP6.2
+3.3V_LORA: J11.1 J17.1 JP8.2 JP10.2 JP12#2.2 JP14.2
+5V: J28.1 JP9.2 JP12.2 JP22.2 JP23.2 R71.1
/gate way/VDD_EXT: C6.1 U3.2 U3.10 U5.15
/power board/3V3_INPUT: R69.2 R70.1 U18.10
